# Altium PCB FlightControlBoard.PcbDoc (part 2 of 3) (continued)
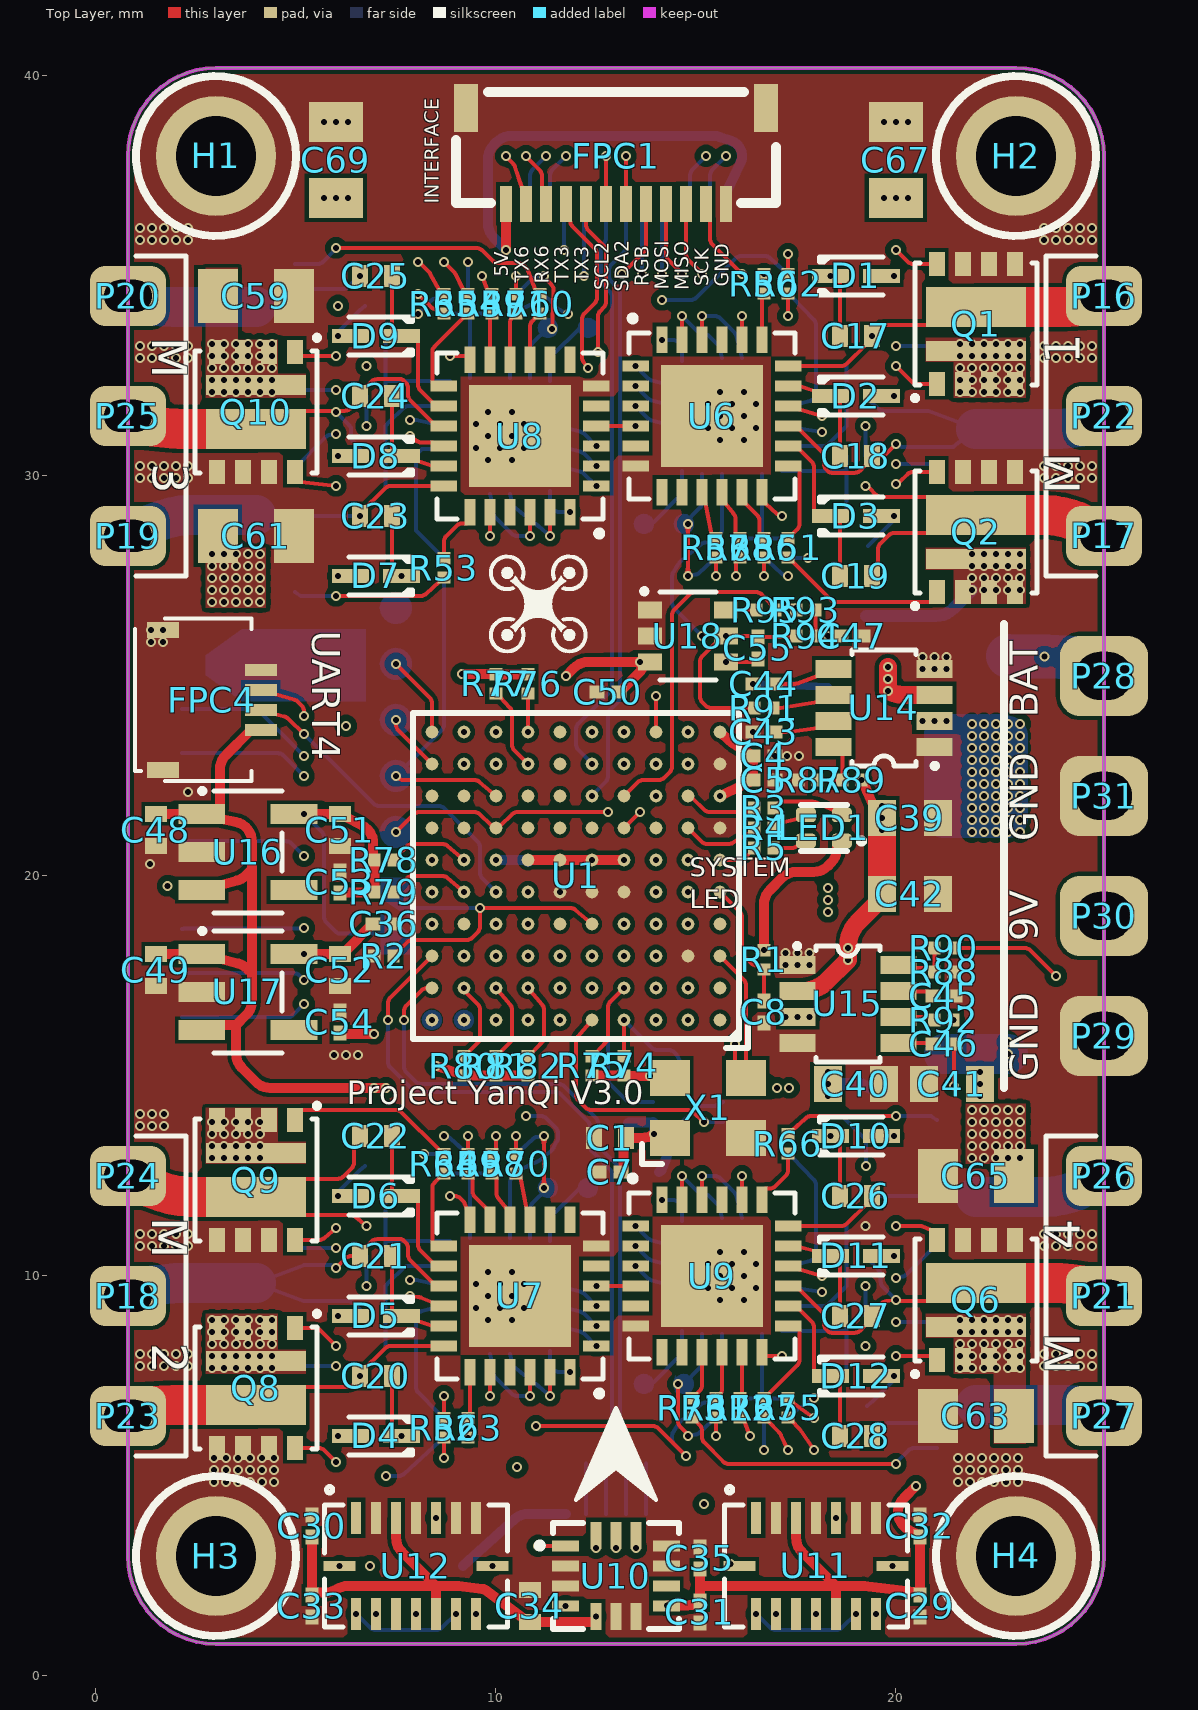
[diagram p0: Top Layer view]
## Nets (pads, with @x,y where several pads share a name; then routed paths per layer and width w, separated by ;. In a path a pad name is that pad's centre, name@x,y a point inside that pad or via, vN(x,y) a via of type N, cw(c..) or ccw(c..) an arc to the next point about the centre after c; other vN are vias at no path point) (continued)
  Bottom Layer w0.1: v1(8.2,13.05) 8.588,13.05 R28.2@8.7,13.042
M2_VS2: C21.1 P18.1 Q3.10 R36.2 U7.15 | length 11.8
  Top Layer w0.1: v1(6,10.2) 6.242,10.442 cw(c6.383,10.3) 6.383,10.5 C21.1@6.6,10.5 6.75,10.72 6.892,10.862 cw(c7.033,10.72) 7.033,10.92 7.6,10.92 cw(c7.6,10.77) 7.705,10.877 7.741,10.841 cw(c7.6,10.699) 7.8,10.699 7.8,10.533 ccw(c8,10.533) 7.858,10.392 8.41,9.84 U7.15@8.692,9.75
  Bottom Layer w0.1: v1(6,10.2) 5.988,10.212 ccw(c5.847,10.07) 5.847,10.27 5.2,10.27 Q3.10@4,9.82 5.2,9.37 6.307,9.37 cw(c6.307,9.17) 6.445,9.315 R36.2@6.656,9.112 ; R36.2@6.657,9.112 R36.2@6.758,9
  Bottom Layer w1: P18.1@1,9.5 1.25,9.75 1.896,9.811 cw(c2.086,7.82) 2.086,9.82 Q3.10@4,9.82
M2_VS3: C22.1 P24.1 Q9.10 R44.2 U7.12 | length 12.8
  Top Layer w0.1: C22.1@6.6,13.5 6.45,13.28 6.45,12.833 cw(c6.25,12.833) 6.392,12.692 6.188,12.488 cw(c6.047,12.63) 6.047,12.43 5.2,12.43 Q9.10@4,11.98 5.2,11.53 6.36,11.53 cw(c6.36,11.33) 6.49,11.481 v1(6.758,11.25) ; v1(8.85,12) 8.967,12 cw(c8.967,11.8) 9.109,11.941 9.179,11.871 cw(c9.038,11.73) 9.228,11.79 9.26,11.69 U7.12@9.35,11.408
  Top Layer w1: P24.1@1,12.5 1.25,12.25 1.665,12.099 ccw(c2.345,13.98) 2.345,11.98 Q9.10@4,11.98
  Layer 3 w0.1: v1(6.758,11.25) 7.067,11.25 ccw(c7.067,11.45) 7.208,11.308 7.842,11.942 cw(c7.983,11.8) 7.983,12 v1(8.85,12)
M3_AIN: R20.2 R30.1 R31.2 U4.2 | length 2.8
  Bottom Layer w0.1: R30.1@8.7,34.058 R20.2@9.3,34.058 ; U4.2@9.349,32.45 9.349,33.957 R20.2@9.3,34.058 ; R31.2@9.9,34.058 R20.2@9.3,34.058
M3_BIN: R21.2 R38.1 R39.2 U4.20 | length 3.1
  Bottom Layer w0.1: R39.2@7.242,29.75 R21.2@7.242,31.25 7.343,31.362 7.673,31.692 cw(c7.814,31.55) 7.814,31.75 U4.20@8.649,31.75
M3_C: R20.1 R21.1 R22.1 U4.19 | length 8.2
  Layer 4 w0.1: v1(6.758,31.25) 7.167,31.25 ccw(c7.167,31.45) 7.308,31.308 7.4,31.4 ; v1(7.85,31.4) 7.4,31.4 ; v1(9.3,35.35) 9.3,34.533 cw(c9.1,34.533) 9.242,34.392 8.458,33.608 ccw(c8.6,33.467) 8.4,33.467 8.4,32.483 cw(c8.2,32.483) 8.342,32.342 7.4,31.4
  Bottom Layer w0.1: v1(6.758,31.25) R22.1@6.758,32 ; v1(7.85,31.4) 7.967,31.4 cw(c7.967,31.2) 8.008,31.396 8.349,31.325 U4.19@8.649,31.25 ; R20.1@9.3,34.542 v1(9.3,35.35)
M3_C2CK: P8.1 R8.2 U4.5 | length 3.7
  Top Layer w0.1: v1@11.2,34.999 ccw(c11.391,35.059) 11.249,34.918 11.384,34.783 cw(c11.243,34.642) 11.443,34.633 11.412,33.901 cw(c11.262,33.907) 11.412,33.898 v1(11.4,33.669)
  Bottom Layer w0.1: R8.2@10.51,34.542 10.886,34.917 cw(c11.027,34.775) 11.001,34.973 11.198,35 cw(c11.226,34.802) v1(11.2,35) ; U4.5@10.848,32.45 10.848,33.166 cw(c11.048,33.166) 10.907,33.307 P8.1@11.3,33.7
M3_C2D: P9.1 U4.6 | length 1.8
  Bottom Layer w0.1: U4.6@11.349,32.377 11.349,32.866 cw(c11.549,32.866) 11.407,33.007 12.1,33.7 P9.1@12.3,33.7
M3_CIN: R22.2 R46.1 R47.2 U4.1 | length 3.1
  Bottom Layer w0.1: R22.2@7.242,32 R47.2@7.242,33.5 ; 7.242,32.375 cw(c7.268,32.177) 7.268,32.377 U4.1@8.848,32.377
M3_HIN1: U4.14 U8.22 | length 2.3
  Top Layer w0.1: v1@10.85,28.502 10.85,28.81 U8.22@10.85,29.092
  Bottom Layer w0.1: U4.14@9.848,29.55 9.923,29.25 9.923,29.109 ccw(c10.123,29.109) 9.982,28.968 10.392,28.558 ccw(c10.533,28.7) 10.533,28.5 v1(10.85,28.5)
M3_HIN2: U4.13 U8.23 | length 2.1
  Top Layer w0.1: v1(11.35,28.5) ccw(c11.15,28.503) 11.35,28.503 11.35,28.81 U8.23@11.35,29.092
  Bottom Layer w0.1: U4.13@10.349,29.55 10.424,29.25 10.629,29.084 ccw(c10.723,29.2) 10.631,29.082 11.049,28.757 cw(c10.85,28.5) 11.061,28.747 v1(11.35,28.5)
M3_HIN3: U4.11 U8.24 | length 0.9
  Bottom Layer w0.1: U4.11@11.349,29.623 11.35,29.423 11.351,29.327 ccw(c11.551,29.329) 11.409,29.187 11.437,29.159 ccw(c11.579,29.3) 11.579,29.1 v1(11.85,29.1)
M3_HO1: R53.2 U8.19 | length 1.5
  Top Layer w0.1: R53.2@8.7,27.942 8.7,28.36 cw(c8.9,28.36) 8.758,28.501 9.009,28.752 cw(c9.15,28.61) 9.15,28.81 9.26,28.81 U8.19@9.35,29.092
M3_HO2: R65.2 U8.16 | length 5.8
  Top Layer w0.1: v1(7.85,31) 8.015,30.879 ccw(c8.133,31.04) 8.133,30.84 8.41,30.84 U8.16@8.692,30.75 ; v1(8.05,34.55) 8.381,34.219 ccw(c8.523,34.36) 8.523,34.16 8.588,34.16 R65.2@8.7,34.058
  Layer 3 w0.1: v1(7.85,31) 8.067,31 ccw(c8.067,31.2) 8.208,31.058 8.317,31.167 ccw(c8.175,31.308) 8.375,31.308 8.375,34.142 ccw(c8.175,34.142) 8.316,34.284 v1(8.05,34.55)
M3_HO3: R54.2 U8.13 | length 2.4
  Top Layer w0.1: U8.13@8.692,32.25 8.41,32.34 8.41,33.096 cw(c8.61,33.096) 8.468,33.237 9.188,33.957 R54.2@9.3,34.058
M3_LIN1: U4.10 U8.1 | length 1.1
  Bottom Layer w0.1: U4.10@11.551,30.25 11.851,30.175 12.102,30.112 cw(c12.053,29.919) 12.193,30.061 v1(12.509,29.751)
M3_LIN2: U4.9 U8.2 | length 1.1
  Bottom Layer w0.1: U4.9@11.551,30.75 11.851,30.675 12.106,30.611 cw(c12.057,30.417) 12.199,30.559 v1(12.508,30.25)
M3_LIN3: U4.8 U8.3 | length 1.1
  Bottom Layer w0.1: U4.8@11.551,31.25 11.851,31.175 12.106,31.111 cw(c12.057,30.917) 12.199,31.059 v1(12.508,30.75)
M3_LO1: R59.2 U8.11 | length 1.2
  Top Layer w0.1: U8.11@9.85,32.908 9.85,33.957 R59.2@9.9,34.058
M3_LO2: R71.2 U8.10 | length 1.2
  Top Layer w0.1: U8.10@10.35,32.908 10.35,33.834 cw(c10.55,33.834) 10.371,33.923 10.388,33.957 R71.2@10.5,34.058
M3_LO3: R60.2 U8.9 | length 1.2
  Top Layer w0.1: U8.9@10.85,32.908 10.85,33.736 cw(c11.05,33.736) 10.908,33.877 10.988,33.957 R60.2@11.1,34.058
M3_PWM: P14.1 R12.2 U1.H8 | length 8.1
  Top Layer w0.1: v1(7.5,22.5) 7.541,22.459 ccw(c7.683,22.6) 7.683,22.4 9.456,22.4 cw(c9.456,22.2) 9.585,22.352 U1.H8@10,22
  Bottom Layer w0.1: v1(7.5,22.5) 8.642,23.642 ccw(c8.5,23.783) 8.7,23.783 R12.2@8.7,27.458
M3_VB1: C23.2 D7.1 U8.20 | length 4.8
  Top Layer w0.1: C23.2@7.4,29 7.4,28.78 7.4,27.63 v1(7.635,27.5) ; v1(9.85,28.5) 9.85,28.81 U8.20@9.85,29.092
  Layer 4 w0.1: v1(7.635,27.5) 8.367,27.5 ccw(c8.367,27.7) 8.508,27.558 8.842,27.892 cw(c8.983,27.75) 8.983,27.95 9.217,27.95 ccw(c9.217,28.15) 9.358,28.008 v1(9.85,28.5)
M3_VB2: C24.2 D8.1 U8.17 | length 2.7
  Top Layer w0.1: C24.2@7.4,32 7.4,30.63 D8.1@7.635,30.5 8.05,30.37 8.383,30.266 ccw(c8.443,30.457) 8.41,30.259 U8.17@8.692,30.25
M3_VB3: C25.2 D9.1 U8.14 | length 4
  Top Layer w0.1: C25.2@7.4,35 7.4,33.63 D9.1@7.635,33.5 8.05,33.37 8.05,32.283 ccw(c8.25,32.283) 8.109,32.141 8.41,31.84 U8.14@8.692,31.75
M3_VS1: C23.1 P19.1 Q4.10 R30.2 U8.18 | length 14.7
  Top Layer w0.1: v1(6.6,29) 6.6,29.07 7.222,29.692 cw(c7.363,29.55) 7.363,29.75 U8.18@8.692,29.75
  Layer 3 w0.1: v1(6.6,29) 7.342,29.742 ccw(c7.2,29.883) 7.4,29.883 7.4,33.317 cw(c7.6,33.317) 7.458,33.458 v1(8.05,34.05)
  Bottom Layer w0.1: Q4.10@4,29.02 5.2,29 v1(6.6,29) ; v1(8.05,34.05) 8.382,34.382 cw(c8.523,34.24) 8.523,34.44 8.588,34.44 R30.2@8.7,34.542
  Bottom Layer w1: P19.1@1,28.5 1.25,28.75 1.662,28.9 cw(c2.345,27.02) 2.345,29.02 Q4.10@4,29.02
M3_VS2: C24.1 P25.1 Q10.10 R38.2 U8.15 | length 10.3
  Top Layer w0.1: Q10.10@4,31.18 5.2,31.63 5.896,31.63 cw(c5.895,31.43) v1(6,31.6) 6,31.63 cw(c6.01,31.43) 6.01,31.63 6.217,31.63 ccw(c6.217,31.83) 6.359,31.689 6.45,31.78 C24.1@6.6,32 6.75,32.22 6.892,32.362 cw(c7.033,32.22) 7.033,32.42 7.6,32.42 cw(c7.6,32.27) 7.705,32.377 7.741,32.341 cw(c7.6,32.199) 7.8,32.199 7.8,32.033 ccw(c8,32.033) 7.858,31.892 8.41,31.34 U8.15@8.692,31.25
  Top Layer w1: P25.1@1,31.5 1.25,31.25 1.897,31.189 ccw(c2.086,33.18) 2.086,31.18 Q10.10@4,31.18
  Bottom Layer w0.1: v1(6,31.6) 6.324,31.276 cw(c6.182,31.135) 6.382,31.135 6.382,30.992 ccw(c6.582,30.992) 6.434,30.858 6.657,30.612 R38.2@6.758,30.5
M3_VS3: C25.1 P20.1 Q5.10 R46.2 U8.12 | length 12.5
  Top Layer w0.1: v1(8.85,33) 9.26,33 U8.12@9.35,32.908
  Layer 3 w0.1: v1(6.758,32.75) 6.639,32.914 cw(c6.8,33.032) 6.6,33.032 v1(6.6,35) 8.017,35 cw(c8.017,34.8) 8.159,34.941 8.541,34.559 cw(c8.4,34.417) 8.6,34.417 8.6,33.371 ccw(c8.8,33.369) 8.647,33.24 v1(8.85,33)
  Bottom Layer w0.1: Q5.10@4,34.22 5.2,34.67 6.15,34.67 ccw(c6.15,34.87) 6.283,34.72 v1(6.6,35)
  Bottom Layer w1: P20.1@1,34.5 1.25,34.25 1.941,34.222 ccw(c2.02,36.22) 2.02,34.22 Q5.10@4,34.22
M4_AIN: R23.2 R32.1 R33.2 U5.2 | length 2.8
  Bottom Layer w0.1: R33.2@16.1,6.942 R23.2@16.7,6.942 ; U5.2@16.651,8.55 16.651,7.043 R23.2@16.7,6.942 ; R32.1@17.3,6.942 R23.2@16.7,6.942
M4_BIN: R24.2 R40.1 R41.2 U5.20 | length 3.1
  Bottom Layer w0.1: U5.20@17.351,9.25 18.186,9.25 ccw(c18.186,9.45) 18.327,9.308 18.657,9.638 R24.2@18.758,9.75 R41.2@18.758,11.25
M4_C: R23.1 R24.1 R25.1 U5.19 | length 8.2
  Layer 4 w0.1: v1(16.7,5.65) 16.7,6.467 cw(c16.9,6.467) 16.758,6.608 17.542,7.392 ccw(c17.4,7.533) 17.6,7.533 17.6,8.517 cw(c17.8,8.517) 17.658,8.658 18.6,9.6 ; v1(18.15,9.6) 18.6,9.6 ; v1(19.242,9.75) 18.833,9.75 ccw(c18.833,9.55) 18.692,9.692 18.6,9.6
  Bottom Layer w0.1: v1(16.7,5.65) R23.1@16.7,6.458 ; U5.19@17.351,9.75 17.651,9.675 v1(18.15,9.6) ; R25.1@19.242,9 v1(19.242,9.75)
M4_C2CK: P10.1 R9.2 U5.5 | length 3.7
  Top Layer w0.1: v1(14.55,7.3) 14.55,6.366 ccw(c14.75,6.366) 14.609,6.224 14.75,6.083 cw(c14.609,5.941) v1(14.8,6)
  Bottom Layer w0.1: P10.1@14.7,7.3 15.093,7.693 ccw(c14.952,7.834) 15.152,7.834 U5.5@15.152,8.55 ; v1(14.8,6) 14.983,6.032 ccw(c14.949,6.229) 15.083,6.081 15.388,6.357 R9.2@15.5,6.458
M4_C2D: P11.1 U5.6 | length 1.8
  Bottom Layer w0.1: P11.1@13.7,7.3 13.819,7.3 ccw(c13.818,7.5) 13.945,7.346 14.593,7.993 ccw(c14.451,8.134) 14.651,8.134 U5.6@14.651,8.623
M4_CIN: R25.2 R48.1 R49.2 U5.1 | length 3.1
  Bottom Layer w0.1: U5.1@17.152,8.623 18.733,8.623 ccw(c18.732,8.823) 18.758,8.625 ; R49.2@18.758,7.5 18.758,8.625 ; R25.2@18.758,9 18.758,8.625
M4_HIN1: U5.14 U9.22 | length 2.2
  Top Layer w0.1: U9.22@15.15,11.908 15.15,12.19 15.15,12.496 ccw(c14.95,12.496) v1(15.15,12.5)
  Bottom Layer w0.1: v1(15.15,12.5) 15.467,12.5 cw(c15.467,12.3) 15.609,12.441 15.963,12.087 cw(c15.821,11.946) 16.016,11.994 16.077,11.75 U5.14@16.152,11.45
M4_HIN2: U5.13 U9.23 | length 2.1
  Top Layer w0.1: U9.23@14.65,11.908 14.65,12.19 v1(14.65,12.5)
  Bottom Layer w0.1: v1(14.65,12.5) 15.042,12.108 ccw(c15.183,12.25) 15.183,12.05 15.194,12.05 cw(c15.194,11.85) 15.335,11.991 15.576,11.75 U5.13@15.651,11.45
M4_HIN3: U5.11 U9.24 | length 0.9
  Bottom Layer w0.1: v1(14.15,11.9) 14.421,11.9 cw(c14.421,11.7) 14.562,11.841 14.591,11.813 cw(c14.449,11.671) 14.649,11.673 14.65,11.577 U5.11@14.651,11.377
M4_HO1: R66.2 U9.19 | length 1.5
  Top Layer w0.1: U9.19@16.65,11.908 16.74,12.19 16.85,12.19 ccw(c16.85,12.39) 16.991,12.248 17.242,12.499 ccw(c17.1,12.64) 17.3,12.64 R66.2@17.3,13.058
M4_HO2: R55.2 U9.16 | length 5.7
  Top Layer w0.1: R55.2@17.3,6.942 17.412,6.84 v1(17.95,6.45) ; U9.16@17.308,10.25 17.59,10.16 v1(18.15,10)
  Layer 3 w0.1: v1(17.95,6.45) 17.683,6.717 cw(c17.825,6.858) 17.625,6.858 17.625,9.692 cw(c17.825,9.692) 17.683,9.833 17.792,9.942 cw(c17.933,9.8) 17.933,10 v1(18.15,10)
M4_HO3: R67.2 U9.13 | length 2.4
  Top Layer w0.1: R67.2@16.7,6.942 16.812,7.043 17.532,7.763 ccw(c17.39,7.904) 17.59,7.904 17.59,8.66 U9.13@17.308,8.75
M4_LIN1: U5.10 U9.1 | length 1.1
  Bottom Layer w0.1: v1(13.492,11.25) 13.802,10.94 ccw(c13.943,11.083) 13.895,10.888 14.149,10.825 U5.10@14.449,10.75
M4_LIN2: U5.9 U9.2 | length 1.1
  Bottom Layer w0.1: v1(13.492,10.75) 13.802,10.441 ccw(c13.943,10.583) 13.895,10.388 14.149,10.325 U5.9@14.449,10.25
M4_LIN3: U5.8 U9.3 | length 1.1
  Bottom Layer w0.1: v1(13.492,10.25) 13.802,9.94 ccw(c13.943,10.083) 13.895,9.888 14.149,9.825 U5.8@14.449,9.75
M4_LO1: R72.2 U9.11 | length 1.2
  Top Layer w0.1: R72.2@16.1,6.942 16.15,7.043 U9.11@16.15,8.092
M4_LO2: R61.2 U9.10 | length 1.2
  Top Layer w0.1: R61.2@15.5,6.942 15.612,7.043 15.629,7.077 ccw(c15.45,7.166) 15.65,7.166 U9.10@15.65,8.092
M4_LO3: R73.2 U9.9 | length 1.2
  Top Layer w0.1: R73.2@14.9,6.942 15.012,7.043 15.092,7.123 ccw(c14.95,7.264) 15.15,7.264 U9.9@15.15,8.092
M4_PWM: P15.1 R13.2 U1.G8 | length 22.6
  Top Layer w0.1: v1(7.5,21.1) 7.942,21.542 cw(c8.083,21.4) 8.083,21.6 9.455,21.6 cw(c9.455,21.4) 9.596,21.542 9.86,21.281 ccw(c10.002,21.421) 9.915,21.241 U1.G8@10,21.2 ; v1(12.8,21.6) 10.542,21.6 ccw(c10.542,21.4) 10.402,21.542 10.116,21.256 cw(c9.975,21.398) U1.G8@10,21.2 ; U1.G8@10,21.2 10.018,21.2 U1.G8@10,21.2
  Layer 2 w0.1: v1(12.8,21.6) 12.801,21.599 cw(c12.708,21.423) 12.849,21.564 13.154,21.259 ccw(c13.296,21.4) 13.296,21.2 14.717,21.2 cw(c14.717,21) 14.859,21.141 16.241,19.759 cw(c16.1,19.617) 16.3,19.617 16.3,14.133 ccw(c16.5,14.133) 16.358,13.992 17.992,12.358 ccw(c18.133,12.5) 18.133,12.3 18.717,12.3 ccw(c18.717,12.5) 18.858,12.358 v1(19.25,12.75)
  Bottom Layer w0.1: R13.2@17.3,13.542 17.412,13.643 17.748,13.948 cw(c17.883,13.8) 17.883,14 18.567,14 cw(c18.567,13.8) 18.709,13.941 19.191,13.459 cw(c19.05,13.317) 19.25,13.317 v1(19.25,12.75)
M4_VB1: C26.2 D10.1 U9.20 | length 4.8
  Top Layer w0.1: U9.20@16.15,11.908 16.15,12.19 16.15,12.496 ccw(c15.95,12.496) v1(16.15,12.5) ; v1(18.365,13.5) 18.6,13.37 18.6,12.22 C26.2@18.6,12
  Layer 4 w0.1: v1(16.15,12.5) 16.642,12.992 cw(c16.783,12.85) 16.783,13.05 17.017,13.05 ccw(c17.017,13.25) 17.158,13.108 17.492,13.442 cw(c17.633,13.3) 17.633,13.5 v1(18.365,13.5)
M4_VB2: C27.2 D11.1 U9.17 | length 2.7
  Top Layer w0.1: U9.17@17.308,10.75 17.59,10.72 17.95,10.63 18.47,10.5 18.6,10.37 C27.2@18.6,9
M4_VB3: C28.2 D12.1 U9.14 | length 4.1
  Top Layer w0.1: U9.14@17.308,9.25 17.59,9.16 17.891,8.859 cw(c17.75,8.717) 17.95,8.717 17.95,7.63 18.47,7.5 18.6,7.37 C28.2@18.6,6
M4_VS1: C26.1 P26.1 Q11.10 R32.2 U9.18 | length 14.8
  Top Layer w0.1: U9.18@17.308,11.25 18.637,11.25 ccw(c18.637,11.45) 18.778,11.308 19.25,11.78 v1(19.4,12)
  Layer 3 w0.1: v1(17.95,6.95) 18.542,7.542 ccw(c18.4,7.683) 18.6,7.683 18.6,11.117 cw(c18.8,11.117) 18.658,11.258 v1(19.4,12)
  Bottom Layer w0.1: R32.2@17.3,6.458 R32.2@17.412,6.56 ; R32.2@17.413,6.56 v1(17.95,6.95) ; v1(19.4,12) 20.8,12 Q11.10@22,11.98
  Bottom Layer w1: Q11.10@22,11.98 23.745,11.98 ccw(c23.745,13.98) 24.717,12.231 24.75,12.25 P26.1@25.2,12.5
M4_VS2: C27.1 P21.1 Q6.10 R40.2 U9.15 | length 10.4
  Top Layer w0.1: U9.15@17.308,9.75 17.59,9.66 18.141,9.109 cw(c18,8.967) 18.2,8.967 18.2,8.801 ccw(c18.4,8.801) 18.258,8.66 18.293,8.625 ccw(c18.4,8.73) 18.4,8.58 18.967,8.58 ccw(c18.967,8.78) 19.108,8.638 19.25,8.78 C27.1@19.4,9 19.55,9.22 19.642,9.312 cw(c19.783,9.17) 19.757,9.369 19.942,9.393 cw(c19.968,9.194) 19.945,9.393 19.986,9.398 cw(c20.013,9.2) 19.989,9.399 v1(20,9.4) ; v1(20,9.4) ccw(c20.105,9.57) 20.105,9.37 20.8,9.37 Q6.10@22,9.82
  Top Layer w1: Q6.10@22,9.82 24.105,9.82 cw(c24.105,7.82) 24.38,9.801 24.75,9.75 P21.1@25.2,9.5
  Bottom Layer w0.1: R40.2@19.242,10.5 19.343,10.388 19.566,10.142 cw(c19.418,10.008) 19.618,10.008 19.618,9.865 ccw(c19.818,9.865) 19.677,9.723 v1(20,9.4)
M4_VS3: C28.1 P27.1 Q12.10 R48.2 U9.12 | length 12.7
  Top Layer w0.1: U9.12@16.65,8.092 16.74,8 v1(17.15,8)
  Layer 3 w0.1: v1(17.15,8) ccw(c17.344,8.048) 17.202,7.907 17.341,7.768 cw(c17.2,7.627) 17.4,7.627 17.4,6.583 ccw(c17.6,6.583) 17.458,6.442 17.842,6.058 ccw(c17.983,6.2) 17.983,6 v1(19.4,6) 19.4,7.968 ccw(c19.2,7.968) 19.361,8.086 v1(19.242,8.25)
  Bottom Layer w0.1: v1(19.4,6) ccw(c19.352,6.194) 19.493,6.053 19.712,6.271 cw(c19.853,6.13) 19.853,6.33 20.8,6.33 Q12.10@22,6.78
  Bottom Layer w1: Q12.10@22,6.78 24.178,6.78 cw(c24.178,4.78) 24.297,6.776 24.75,6.75 P27.1@25.2,6.5
NetC2_1: C2.1 U1.E7
  other v1: 10.8,19.6
NetC3_2: C3.2 U1.F8 | length 0.8
  Bottom Layer w0.25: v1(10,20.4) 10.725,20.4 C3.2@10.8,20.35
NetC43_2: C43.2 U14.7 | length 1.5
  Top Layer w0.1: C43.2@16.974,23.6 17.299,23.6 ccw(c17.299,23.8) 17.326,23.602 18.04,23.7 U14.7@18.44,23.875
NetC44_2: C44.2 U14.5 | length 1.5
  Top Layer w0.1: C44.2@16.974,24.8 17.467,24.8 ccw(c17.467,25) 17.537,24.813 18.04,25 U14.5@18.44,25.175
NetC45_2: C45.2 U15.7 | length 0.9
  Top Layer w0.1: U15.7@20.06,17.125 20.46,17.112 20.791,17.112 C45.2@20.926,17
NetC46_2: C46.2 U15.5 | length 0.9
  Top Layer w0.1: U15.5@20.06,15.825 20.791,15.825 C46.2@20.926,15.8
NetLED1_2: LED1.2 R5.1 | length 0.9
  Top Layer w0.1: R5.1@16.942,20.7 17.391,20.7 ccw(c17.391,20.9) 17.49,20.726 17.591,20.784 LED1.2@17.75,20.875
NetLED1_3: LED1.3 R4.1 | length 0.9
  Top Layer w0.1: R4.1@16.942,21.2 17.043,21.312 17.591,21.434 LED1.3@17.75,21.525
NetLED1_4: LED1.4 R3.1 | length 1.8
  Top Layer w0.1: R3.1@16.942,21.7 17.043,21.812 17.067,21.827 cw(c17.173,21.657) 17.173,21.857 17.909,21.857 cw(c17.909,21.616) 18.009,21.835 18.491,21.616 LED1.4@18.65,21.525
NetQ1_1: Q1.1 R50.1 | length 6.1
  Top Layer w0.1: v1(20,32.75) 20.392,32.358 ccw(c20.533,32.5) 20.533,32.3 Q1.1@21.025,32.3
  Layer 3 w0.1: v1(16.7,35.05) 17.317,35.05 cw(c17.317,34.85) 17.459,34.991 17.941,34.509 cw(c17.8,34.367) 18,34.367 18,33.387 cw(c17.8,33.386) 18,33.385 18,33.384 ccw(c18.2,33.383) 18.059,33.241 18.491,32.809 ccw(c18.633,32.95) 18.633,32.75 v1(20,32.75)
NetQ1_8: Q1.8 R56.1 | length 11.6
  Top Layer w0.1: v1(16.7,27.5) R56.1@16.7,27.958 ; v1(20,35.65) 20.292,35.358 ccw(c20.433,35.5) 20.433,35.3 Q1.8@21.025,35.3
  Layer 4 w0.1: v1(16.7,27.5) 16.7,30.467 cw(c16.9,30.467) 16.758,30.608 18.742,32.592 ccw(c18.6,32.733) 18.8,32.733 18.8,35.267 cw(c19,35.267) 18.858,35.408 19.042,35.592 cw(c19.183,35.45) 19.183,35.65 v1(20,35.65)
NetQ2_1: Q2.1 R51.1 | length 4.3
  Top Layer w0.1: R51.1@17.3,27.958 17.412,27.857 18.36,26.909 ccw(c18.502,27.05) 18.501,26.85 20.762,26.85 20.875,26.85 Q2.1@21.025,27.1
NetQ2_8: Q2.8 R57.1 | length 7.3
  Top Layer w0.1: v1(15.5,27.5) R57.1@15.5,27.958 ; v1(20,29.8) ccw(c19.952,29.994) 20.093,29.853 20.282,30.042 cw(c20.423,29.9) 20.423,30.1 Q2.8@21.025,30.1
  Layer 3 w0.1: v1(15.5,27.5) 15.5,27.917 cw(c15.7,27.917) 15.558,28.058 16.092,28.592 cw(c16.233,28.45) 16.233,28.65 18.767,28.65 ccw(c18.767,28.85) 18.908,28.708 v1(20,29.8)
NetQ3_1: Q3.1 R52.1 | length 5.6
  Top Layer w0.1: v1(8.7,5.45) R52.1@8.7,5.958
  Layer 3 w0.1: v1(6,7.75) 6.191,7.559 cw(c6.05,7.417) 6.25,7.417 6.25,6.983 ccw(c6.45,6.983) 6.308,6.842 7.642,5.508 ccw(c7.783,5.65) 7.783,5.45 v1(8.7,5.45)
  Bottom Layer w0.1: Q3.1@4.975,7.9 5.125,7.75 v1(6,7.75)
NetQ3_8: Q3.8 R58.1 | length 8.3
  Top Layer w0.1: R58.1@9.9,13.042 10,13.143 v1(10,13.5)
  Layer 4 w0.1: v1(6,10.7) 7.517,10.7 ccw(c7.517,10.9) 7.658,10.758 7.792,10.892 ccw(c7.65,11.033) 7.85,11.033 7.85,13.117 cw(c8.05,13.117) 7.908,13.258 8.442,13.792 cw(c8.583,13.65) 8.583,13.85 9.567,13.85 cw(c9.567,13.65) 9.709,13.791 v1(10,13.5)
  Bottom Layer w0.1: Q3.8@4.975,10.9 5.125,10.7 v1(6,10.7)
NetQ4_1: Q4.1 R53.1 | length 3.9
  Top Layer w0.1: v1(6,27) 8.117,27 ccw(c8.117,27.2) 8.251,27.051 8.588,27.357 R53.1@8.7,27.458
  Bottom Layer w0.1: Q4.1@4.975,27.1 5.125,27 v1(6,27)
NetQ4_8: Q4.8 R59.1 | length 9.1
  Top Layer w0.1: v1(9.65,35) 9.788,34.643 R59.1@9.9,34.542
  Layer 4 w0.1: v1@6.001,31.05 cw(c5.952,30.856) 6.093,30.997 6.381,30.709 ccw(c6.523,30.85) 6.523,30.65 7.967,30.65 ccw(c7.967,30.85) 8.108,30.708 9.592,32.192 ccw(c9.45,32.333) 9.65,32.333 v1(9.65,35)
  Bottom Layer w0.1: Q4.8@4.975,30.2 5.745,30.97 cw(c5.886,30.828) 5.853,31.025 v1(6,31.05)
NetQ5_1: Q5.1 R54.1 | length 6.8
  Top Layer w0.1: v1(8.701,35.35) 8.941,35.109 cw(c8.8,34.968) 8.979,35.058 9.188,34.643 R54.1@9.3,34.542
  Layer 4 w0.1: v1(6,32.15) 6.634,32.15 ccw(c6.634,32.35) 6.775,32.208 8.342,33.775 ccw(c8.2,33.916) 8.4,33.916 8.4,34.967 cw(c8.6,34.967) 8.459,35.108 v1(8.701,35.35)
  Bottom Layer w0.1: Q5.1@4.975,32.3 5.125,32.15 v1(6,32.15)
NetQ5_8: Q5.8 R60.1 | length 6.9
  Top Layer w0.1: v1(6,35.7) 9.512,35.7 cw(c9.512,35.5) 9.652,35.643 9.917,35.383 ccw(c10.058,35.525) 10.058,35.325 10.552,35.325 cw(c10.552,35.125) 10.693,35.267 10.728,35.231 cw(c10.5,35) 10.731,35.228 10.756,35.203 cw(c10.615,35.062) 10.802,35.133 R60.1@10.988,34.644 ; R60.1@10.988,34.643 R60.1@11.1,34.542
  Bottom Layer w0.1: Q5.8@4.975,35.3 5.542,35.3 ccw(c5.542,35.5) 5.683,35.358 5.955,35.63 ccw(c5.813,35.771) v1(6,35.7)
NetQ6_1: Q6.1 R55.1 | length 5.6
  Top Layer w0.1: R55.1@17.3,6.458 17.412,6.357 17.566,6.203 cw(c17.424,6.062) 17.589,6.175 v1(17.95,5.65) ; v1(20,8) 20.875,8 Q6.1@21.025,7.9
  Layer 4 w0.1: v1(17.95,5.65) 18.167,5.65 ccw(c18.167,5.85) 18.308,5.708 18.392,5.792 ccw(c18.25,5.933) 18.45,5.933 18.45,6.617 cw(c18.65,6.617) 18.508,6.758 19.692,7.942 cw(c19.833,7.8) 19.833,8 v1(20,8)
NetQ6_8: Q6.8 R61.1 | length 9.6
  Top Layer w0.1: v1(15.5,6) R61.1@15.5,6.458 ; v1(20,11.25) 20.592,11.25 cw(c20.592,11.05) 20.668,11.235 20.875,11.15 Q6.8@21.025,10.9
  Layer 4 w0.1: v1(15.5,6) 15.5,8.117 cw(c15.7,8.117) 15.558,8.258 17.792,10.492 cw(c17.933,10.35) 17.933,10.55 19.217,10.55 ccw(c19.217,10.75) 19.358,10.608 v1(20,11.25)
NetQ7_1: Q7.1 R62.1 | length 5.6
  Top Layer w0.1: R62.1@17.3,35.042 v1(17.3,35.55)
  Layer 3 w0.1: v1(17.3,35.55) 18.217,35.55 cw(c18.217,35.35) 18.359,35.491 19.691,34.159 cw(c19.55,34.017) 19.75,34.017 19.75,33.583 ccw(c19.95,33.583) 19.809,33.441 v1(20,33.25)
  Bottom Layer w0.1: v1(20,33.25) 20.875,33.25 Q7.1@21.025,33.1
NetQ7_8: Q7.8 R68.1 | length 8.3
  Top Layer w0.1: v1(16,27.5) 16,27.857 R68.1@16.1,27.958
  Layer 4 w0.1: v1(16,27.5) 16.292,27.208 ccw(c16.433,27.35) 16.433,27.15 17.417,27.15 ccw(c17.417,27.35) 17.558,27.208 18.092,27.742 ccw(c17.95,27.883) 18.15,27.883 18.15,29.967 cw(c18.35,29.967) 18.208,30.108 18.342,30.242 cw(c18.483,30.1) 18.483,30.3 v1(20,30.3)
  Bottom Layer w0.1: v1(20,30.3) 20.875,30.3 Q7.8@21.025,30.1
NetQ8_1: Q8.1 R63.1 | length 6.1
  Top Layer w0.1: Q8.1@4.975,8.7 5.467,8.7 cw(c5.467,8.5) 5.609,8.641 v1(6,8.25)
  Layer 3 w0.1: v1(6,8.25) 7.367,8.25 cw(c7.367,8.05) 7.509,8.191 7.941,7.759 cw(c7.8,7.617) 8,7.617 8,6.633 ccw(c8.2,6.633) 8.058,6.492 8.542,6.008 ccw(c8.683,6.15) 8.683,5.95 v1(9.3,5.95)
NetQ8_8: Q8.8 R69.1 | length 11.6
  Top Layer w0.1: Q8.8@4.975,5.7 5.567,5.7 cw(c5.567,5.5) 5.709,5.641 v1(6,5.35) ; R69.1@9.3,13.042 v1(9.3,13.5)
  Layer 4 w0.1: v1(6,5.35) 6.817,5.35 ccw(c6.817,5.55) 6.958,5.408 7.142,5.592 ccw(c7,5.733) 7.2,5.733 7.2,8.267 cw(c7.4,8.267) 7.258,8.408 9.242,10.392 ccw(c9.1,10.533) 9.3,10.533 v1(9.3,13.5)
NetQ9_1: Q9.1 R64.1 | length 4.3
  Top Layer w0.1: Q9.1@4.975,13.9 5.125,14.15 7.498,14.15 cw(c7.498,13.95) 7.64,14.091 8.588,13.143 R64.1@8.7,13.042
NetQ9_8: Q9.8 R70.1 | length 7.3
  Top Layer w0.1: Q9.8@4.975,10.9 5.581,10.9 ccw(c5.581,11.1) 5.712,10.949 v1(6,11.2) ; R70.1@10.5,13.042 v1(10.5,13.5)
  Layer 3 w0.1: v1(6,11.2) 7.092,12.292 cw(c7.233,12.15) 7.233,12.35 9.767,12.35 ccw(c9.767,12.55) 9.908,12.408 10.442,12.942 ccw(c10.3,13.083) 10.5,13.083 v1(10.5,13.5)
NetQ10_1: Q10.1 R65.1 | length 5.6
  Top Layer w0.1: Q10.1@4.975,33.1 5.125,33 v1(6,33) ; v1(8.05,35.35) 8.051,35.35 cw(c7.986,35.161) 8.127,35.302 8.317,35.112 cw(c8.176,34.971) 8.35,35.068 8.588,34.644 R65.1@8.7,34.542
  Layer 4 w0.1: v1(6,33) 6.167,33 ccw(c6.167,33.2) 6.308,33.058 7.492,34.242 ccw(c7.35,34.383) 7.55,34.383 7.55,35.067 cw(c7.75,35.067) 7.608,35.208 7.692,35.292 cw(c7.833,35.15) 7.833,35.35 v1(8.05,35.35)
NetQ10_8: Q10.8 R71.1 | length 9.6
  Top Layer w0.1: Q10.8@4.975,30.1 5.125,29.85 v1(6,29.75) ; R71.1@10.5,34.542 v1(10.5,35)
  Layer 4 w0.1: v1(6,29.75) 7.367,29.75 ccw(c7.367,29.95) 7.508,29.808 10.442,32.742 ccw(c10.3,32.883) 10.5,32.883 v1(10.5,35)
NetQ11_1: Q11.1 R66.1 | length 3.9
  Top Layer w0.1: R66.1@17.3,13.542 17.412,13.643 17.748,13.948 cw(c17.883,13.8) 17.883,14 v1(20,14)
  Bottom Layer w0.1: v1(20,14) 20.875,14 Q11.1@21.025,13.9
NetQ11_8: Q11.8 R72.1 | length 9.2
  Top Layer w0.1: R72.1@16.1,6.458 16.212,6.357 v1(16.35,6)
  Layer 4 w0.1: v1(16.35,6) 16.35,8.667 cw(c16.55,8.667) 16.408,8.808 17.892,10.292 cw(c18.033,10.15) 18.033,10.35 19.48,10.35 cw(c19.48,10.15) 19.613,10.299 v1(20,9.95)
  Bottom Layer w0.1: v1(20,9.95) 20.161,9.983 ccw(c20.121,10.179) 20.262,10.037 20.875,10.65 Q11.8@21.025,10.9